# Allegro board board_orcad.brd (continued)
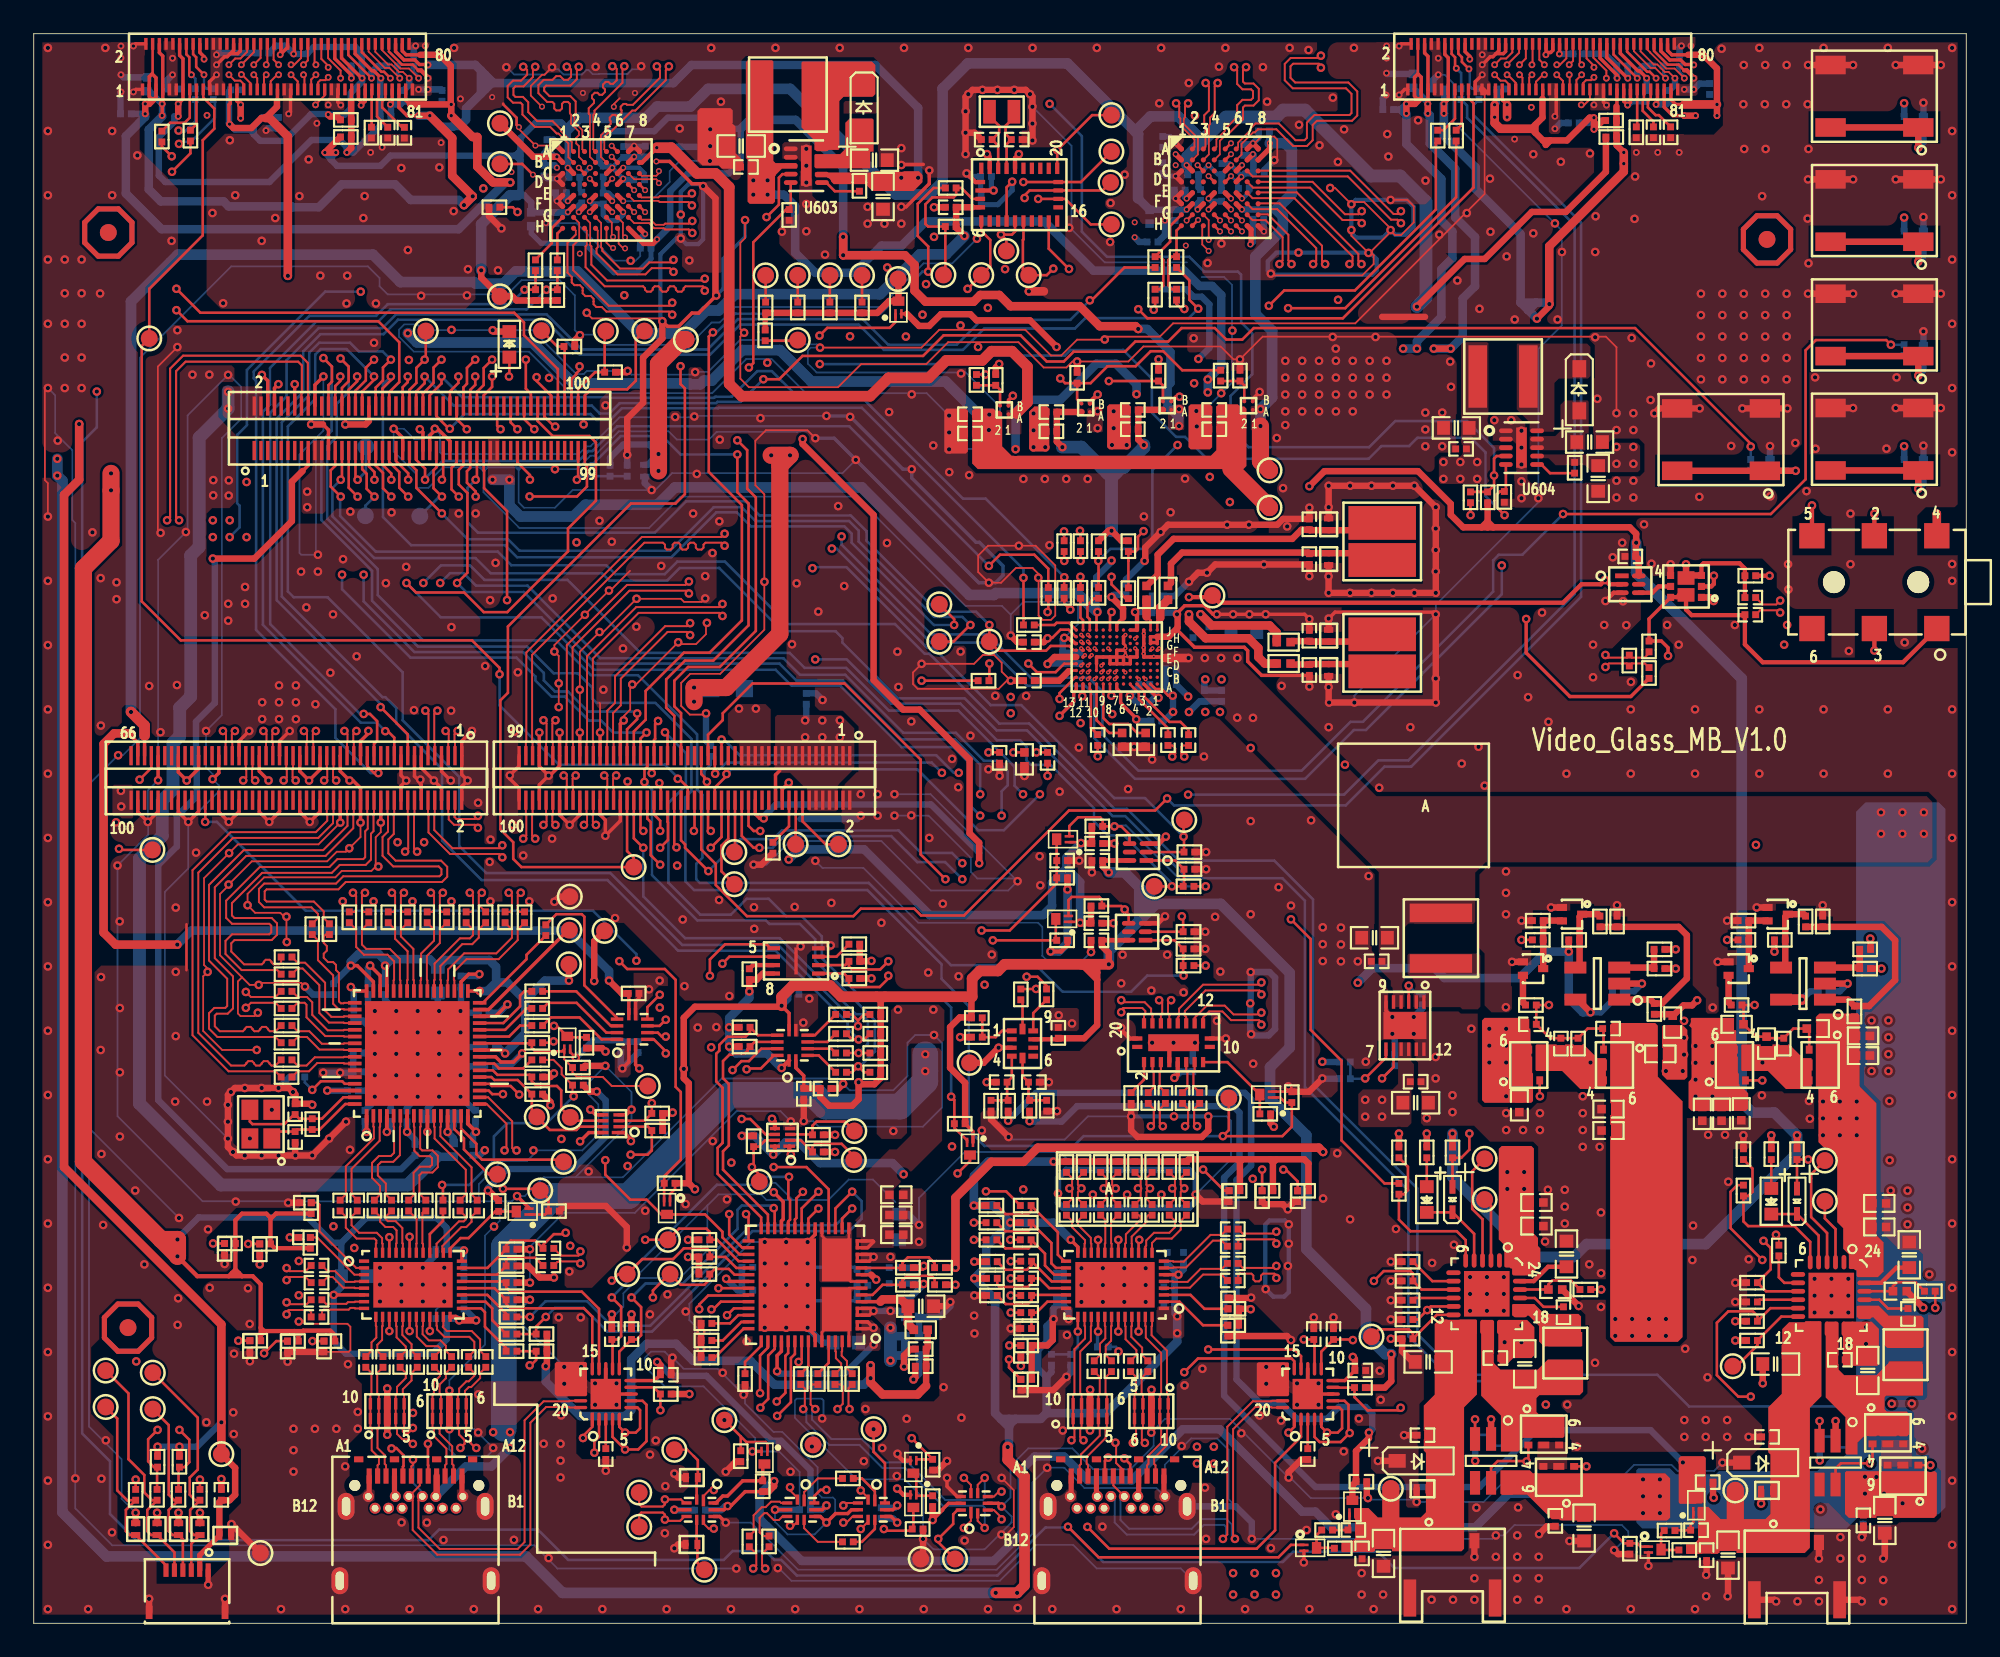
[diagram p0: board, top side]
## Routing (per net, layer and track width the routed paths; a pad name or vN(x,y) marks a point on that pad's centre or on a via; arc(x,y) is an arc through that point) (continued)
PB_L_D-: length 57
  TOP w0.114: U402.20 31.77,12.79 31.74,12.82 30.37,12.82 29.44,11.89 29.44,4.67 28.83,4.06 23.92,4.06 22.46,5.53 22.46,7.29 J401.B7 22.88,8.17 J401.A7 ; v1(47.99,5.97) 48.18,5.97 48.54,6.33 U405.5
  ART03 w0.114: J401.B7 22.46,7.75 22.46,8.72 26.18,12.44 29.35,12.44 30.08,13.17 32.18,13.17 32.91,12.44 35.66,12.44 36.32,11.78 39.56,11.78 41.63,9.71 43.15,9.71 43.37,9.92 45.43,9.92 45.65,9.7 47.28,9.7 48.46,8.51 48.46,6.44 v1(47.99,5.97)
PB_L_HPDIN: length 36.8
  TOP w0.114: v1(32,31.24) 32,31.32 31.94,31.38 R728.1 31.29,32.55 31.29,32.92 30.81,33.4 R729.2
  TOP w0.152: U801.31 41.84,21.87 40.82,22.88 40.82,23.21 39.8,24.24 Q401.3 37.2,24.24 36.33,25.11 35.37,25.11 33.88,26.6 v1(33.88,27.45) ; v1(24.21,25.98) 24.26,25.93 R409.2
  ART03 w0.122: v1(24.21,25.98) 25.11,26.88 31.85,26.88 32.42,27.45 v1(33.88,27.45)
  BOTTOM w0.152: v1(24.21,25.98) 25.81,25.98 27.28,27.46 27.28,28.86 28.06,29.65 30.41,29.65 v1(32,31.24)
PB_POL: length 32.9
  TOP w0.152: U801.18 47.12,25.73 45.8,27.05 v1(43.86,27.05) ; R406.2 R403.2 29.78,15.61 29.46,15.29 v1(29.4,15.29)
  ART03 w0.152: v1(29.4,15.29) 29.44,15.33 29.44,16.42 28.91,16.96 28.91,20.72 30.4,22.22 30.4,22.88 31.74,24.21 35.37,24.21 35.67,23.92 36.95,23.92 38.15,25.12 38.15,25.88 38.85,26.58 40.88,26.58 41.23,26.23 43.05,26.23 v1(43.86,27.05)
PB_PP_EXT_ENABLE: length 82.6
  TOP w0.152: U801.49 45.52,15.68 v1(45.34,15.49) ; R846.2 v1(88.19,40.51)
  ART03 w0.122: v1(88.19,40.51) 88.39,40.72 92.2,40.72 94.21,38.71 94.21,24.46 91.43,21.68 84.35,21.68 81.66,18.99 81.66,12.65 81.2,12.19 79.78,12.19 78.25,13.73 71.78,13.73 71.21,13.16 51.66,13.16 51.03,13.79 47.04,13.79 v1(45.34,15.49)
PB_USB3: length 29.1
  TOP w0.152: U801.17 47.52,24.59 v1(48.51,25.59) ; R407.2 R402.2 29.78,17.59 v1(30.35,18.16)
  BOTTOM w0.152: v1(30.35,18.16) 30.89,18.7 32.6,18.7 34.01,17.29 36.65,17.29 42.61,23.25 48.35,23.25 49.07,23.98 49.07,25.03 v1(48.51,25.59)
PD_I2C1_IRQZ: length 5
  TOP w0.152: TP801.1 48.62,27.7 47.89,28.42 46.31,28.42 46.16,28.27 R828.1 45.47,28.63 U804.2
PD_I2C2_IRQZ: length 4.7
  TOP w0.152: U804.3 46.14,28.98 R827.1 46.16,29.5 46.41,29.74 48.08,29.74 TP802.1
PD_LDO_1V8: length 4
  TOP w0.203: v1(41.05,20.42) 41.2,20.27 U801.35
  BOTTOM w0.381: v1(41.05,20.42) 41.72,19.74 C807.1 C806.1
PD_LDO_3V3: length 237.9
  TOP w0.203: U402.10 36.8,14.39 C404.1 ; U404.9 46.74,6.73 v1(46.99,6.99) ; U504.10 77.72,14.39 C533.1 ; 49.64,20.67 U801.9 ; v1(51.18,6.99) 50.93,6.73 U405.9 ; U502.9 54.23,7.11 53.87,6.76 53.87,6.71 v1(53.28,6.12)
  TOP w0.254: U805.1 44.77,33.36 v1(44.33,32.92) ; v1(67.61,32.33) 67.81,32.53 U503.6 ; Q811.2 51.55,7.61 v1(51.18,7.98) ; U804.8 43.93,27.88 v1(43.84,27.79) ; 43.22,38.52 U802.8
  TOP w0.381: v1(49.94,20.37) 49.64,20.67 ; U808.5 91.53,36.97 v1(92.28,36.22) ; v1(49.66,39.27) 49.63,39.24 R817.1 R815.1 ; R836.2 v1(41.97,28.9) ; v1(38.79,21.72) R837.2 R835.2 ; R838.2 v1(38.79,22.73) ; R542.1 73.32,29.63 v1(73.51,29.44) ; C404.1 37.14,15.31 v1(36.96,15.49) ; v1(78.19,15.79) 78.31,15.67 C533.1 ; v1(42.42,37.45) R814.1 42.86,38.16 43.22,38.52 ; R854.2 v1(103.18,39.82) ; R842.2 v1(90.99,39.82) ; R831.2 v1(41.22,35.33) ; R811.1 v1(54.64,21.08) ; R816.1 v1(49.66,38.23) ; R820.1 v1(53.28,6.12) ; R832.2 v1(41.22,34.19) ; R809.1 v1(54.64,20.07)
  TOP w0.508: v1(54.64,21.08) 54.64,25.23 56.77,27.36 58.68,27.36 59.52,28.19 76.17,28.19 v1(76.43,27.94)
  TOP w0.635: U807.5 v1(104.81,36.97)
  ART03 w0.508: 73.51,31.5 v1(73.51,29.44) 75.01,27.94 75.38,27.94 ; 73.51,31.5 73.51,31.95 ; 73.51,31.5 73.43,31.5 72.49,32.43 ; 75.76,27.27 75.76,22.41 79.3,18.87 79.3,16.3 78.79,15.79 v1(78.19,15.79) ; 75.76,27.27 v1(76.43,27.94) 75.38,27.94 ; 75.76,27.27 75.76,27.56 75.38,27.94 ; v1(49.66,39.27) v1(49.66,38.23) 45.89,38.23 45.45,37.79 42.75,37.79 v1(42.42,37.45) ; 72.92,32.43 73.4,31.95 73.51,31.95 ; 72.92,32.43 72.49,32.43 ; 72.92,32.43 73.51,32.43 ; v1(78.49,37.97) 78.49,37.41 73.51,32.43 ; v1(36.96,15.49) 37.2,15.73 37.2,18.18 38.43,19.42 38.43,21.36 v1(38.79,21.72) v1(38.79,22.73) ; 72.49,32.43 67.71,32.43 v1(67.61,32.33) ; v1(54.64,20.07) v1(54.64,21.08) ; 73.51,32.43 73.51,31.95
  ART05 w0.381: v1(43.84,27.79) 43.84,28.03 44.63,28.82 46.12,28.82 46.6,29.31 46.6,30.65 v1(44.33,32.92)
  ART05 w0.508: v1(90.99,39.82) 92.28,38.53 v1(92.28,36.22) 95.81,36.22 97.31,37.72 100.44,37.72 102.53,39.82 v1(103.18,39.82) 104.81,38.19 v1(104.81,36.97) ; v1(36.96,15.49) 37.18,15.71 37.18,18.15 38.46,19.44 38.46,21.39 v1(38.79,21.72) v1(38.79,22.73) 38.79,24.03 40.52,25.77 40.52,27.45 v1(41.97,28.9)
  ART06 w0.381: 54.05,22.07 53.87,21.89 53.82,21.89 ; 53.82,21.89 52.25,21.89 50.72,20.37 v1(49.94,20.37) ; 53.82,21.89 54.05,21.66 ; v1(54.64,21.08) v1(54.64,20.07)
  ART06 w0.508: v1(46.99,6.99) 46.18,6.18 46.18,5.46 47.04,4.6 51.47,4.6 52.05,5.18 52.05,6.11 ; v1(51.56,26.62) 54.05,24.13 54.05,21.66 v1(54.64,21.08) ; 52.05,6.11 v1(51.18,6.99) v1(51.18,7.98) ; 52.05,6.11 53.27,6.11 v1(53.28,6.12)
  BOTTOM w0.381: C529.1 67.98,32.7 v1(67.61,32.33) ; v1(36.96,15.49) 37.79,14.67 39.88,14.67 43.72,10.82 44.3,10.82 46.04,9.08 C436.1 46.74,6.73 v1(46.99,6.99) ; v1(51.18,6.99) 51.04,6.85 C438.1 ; C830.1 105.3,37.47 v1(104.81,36.97) ; v1(92.28,36.22) 92.89,36.22 93.58,36.92 C821.1
  BOTTOM w0.508: v1(51.56,26.62) 50.9,27.28 46.61,27.28 45.36,28.52 44.58,28.52 v1(43.84,27.79) 42.73,28.9 v1(41.97,28.9) ; v1(78.49,37.97) 79.35,38.84 83.03,38.84 83.62,38.25 88.06,38.25 89.63,39.82 v1(90.99,39.82) 90.99,37.05 91.82,36.22 v1(92.28,36.22) ; v1(44.33,32.92) 43.47,33.78 41.63,33.78 v1(41.22,34.19) v1(41.22,35.33) 41.22,35.88 42.42,37.07 v1(42.42,37.45)
PD_RESET: length 136.7
  TOP w0.152: v1(29.17,74.91) 29.17,73.19 29.47,72.89 J302.84 ; Q808.1 52.39,9.72 R822.1 53.28,9.73 v1(52.04,10.97)
  ART03 w0.122: v1(12.62,64.39) 13.22,63.79 15.99,63.79 16.39,64.19 26.7,64.19 27.47,64.96 28.27,64.96 31.44,68.13 31.44,73.75 30.78,74.4 29.69,74.4 v1(29.17,74.91)
  ART06 w0.122: v1(12.62,64.39) 12.62,63.03 3.5,53.91 3.5,21.94 10.62,14.81 16.27,14.81 17.81,16.35 25.86,16.35 27.16,17.65 38.8,17.65 39.03,17.88 40.07,17.88 41.71,16.24 46.78,16.24 v1(52.04,10.97)
PD_SPI_CLK: length 29.2
  TOP w0.152: v1(40.17,18.61) 40.27,18.61 40.73,19.07 U801.38 ; v1(40.82,39.1) 41.24,39.52 U802.6
  ART06 w0.122: v1(40.17,18.61) 39.83,18.95 39.83,24.62 42.1,26.9 42.1,27.28 43.04,28.22 43.04,31.6 43.29,31.84 43.29,34.76 41.6,36.45 41.08,36.45 40.62,36.91 40.62,38.9 v1(40.82,39.1)
PD_SPI_MISO: length 33.7
  TOP w0.152: v1(40.59,19.86) 40.59,19.87 U801.36 ; U802.2 48.1,39.02 R817.2 48.32,38.95 48.51,38.76 50.17,38.76 v1(50.66,39.24)
  ART06 w0.122: v1(50.66,39.24) 50.14,38.73 50.14,38.08 50.37,37.86 50.37,30.07 49.36,29.07 49.36,24.55 48.22,23.41 43,23.41 41.68,22.09 41.68,20.35 41.25,19.91 40.64,19.91 v1(40.59,19.86)
PD_SPI_MOSI: length 31.4
  TOP w0.152: v1(39.45,18.62) 39.45,18.9 39.98,19.43 42.33,19.43 U801.37 ; v1(40.08,38.38) 40.08,39.35 40.98,40.25 43.44,40.25 43.67,40.02 U802.5
  ART06 w0.122: v1(39.45,18.62) 39.55,18.72 39.55,24.82 41.83,27.1 41.83,27.55 42.72,28.44 42.72,31.82 43.01,32.12 43.01,34.58 41.48,36.11 40.99,36.11 40.08,37.02 v1(40.08,38.38)
PD_SPI_SS: length 33.6
  TOP w0.152: U801.39 41.5,18.67 v1(41.1,18.26) ; v1(50.66,38.39) 50.66,38.23 50.15,37.72 48.47,37.72 48.32,37.87 R816.2 48.03,38.52 U802.1
  ART06 w0.122: v1(50.66,38.39) 50.66,29.89 49.66,28.89 49.66,24.42 48.33,23.09 43.13,23.09 41.99,21.96 41.99,19.16 v1(41.1,18.26)
R_775_EN: length 52.4
  TOP w0.152: J301.58 37.17,49.72 v1(37.08,49.81) ; U709.B2 61.85,72.57 R721.2 ; R721.2 61.13,73.52 v1(60.85,73.8) ; R721.2 62.65,73.52 63.65,74.52 65.32,74.52 66.21,75.41 66.95,75.41 68.08,74.28 R724.2
  ART03 w0.122: v1(37.08,49.81) 37.08,50.25 40.49,53.66 40.49,54.47 42.89,56.88 44.55,56.88 53.79,66.12 53.79,72.19 56.8,75.19 59.46,75.19 v1(60.85,73.8)
R_AUXN: length 49.9
  TOP w0.114: v1(67.49,51.38) 67.67,51.57 67.67,51.86 67.49,52.04 C1008.2
  TOP w0.152: C513.1 v1(57.91,20.45)
  ART06 w0.114: v1(67.49,51.38) 67.6,51.5 67.6,52.17 67.99,52.55 70.45,52.55 71.19,51.81 71.19,38.14 69.64,36.59 69.64,34.22 71.78,32.08 71.78,26.19 67.14,21.55 60.72,21.55 59.82,20.65 58.12,20.65 v1(57.91,20.45)
R_AUXP: length 49.3
  TOP w0.114: v1(68.2,51.38) 68.01,51.57 68.01,51.92 68.13,52.04 C1009.2
  TOP w0.152: C514.1 v1(57.91,21.46)
  ART06 w0.114: v1(68.2,51.38) 68.06,51.38 67.94,51.5 67.94,52.03 68.13,52.21 68.44,52.21 68.55,52.1 68.55,52.06 68.67,51.94 68.89,51.94 69.01,52.06 69.01,52.1 69.12,52.21 69.35,52.21 69.47,52.1 69.47,52.06 69.58,51.94 69.81,51.94 69.92,52.06 69.92,52.1 70.04,52.21 70.31,52.21 70.85,51.67 70.85,38.29 69.3,36.74 69.3,34.08 71.44,31.94 71.44,26.33 67,21.89 60.58,21.89 59.67,20.99 58.03,20.99 57.91,21.11 v1(57.91,21.46)
R_BAT_CTL: length 112.1
  TOP w0.152: J302.27 18.27,67.87 v1(18.2,67.79)
  BOTTOM w0.152: R920.1 87.18,10.53 87.55,10.9 87.55,14.19 87.38,14.36 84.14,14.36 81.48,17.01 81.48,25.65 75.35,31.79 75.35,42.84 74.02,44.17 68.38,44.17 64.69,47.85 63.96,47.85 58.88,52.93 57.08,52.93 55.18,54.83 51.24,54.83 47.94,58.13 47.94,58.4 47.53,58.81 44.38,58.81 40.63,62.56 38.29,62.56 37.55,61.81 34.12,61.81 33.69,62.25 27.09,62.25 26.19,63.15 20.18,63.15 17.7,65.63 17.7,67.3 v1(18.2,67.79)
R_C_CC1: length 24.7
  TOP w0.152: U504.7 77.7,13.19 77.93,12.95 77.93,11.35 v1(78,11.28) 77.47,10.74 76.22,10.74 75.92,11.05 U504.4 ; J502.A5 63.5,9.62 v1(63.69,9.82)
  ART03 w0.152: v1(63.69,9.82) 63.37,10.13 63.37,11 64.72,12.34 71.48,12.34 72,12.86 73.99,12.86 74.63,12.22 77.06,12.22 v1(78,11.28)
R_C_CC2: length 18
  TOP w0.152: U504.6 77.4,12.79 77.55,12.64 77.55,11.56 77.3,11.3 v1(76.66,11.3) 76.32,11.65 U504.5
  ART03 w0.122: v1(76.66,11.3) 76.19,10.83 73.99,10.83 68.88,5.71 66.15,5.71 J502.B5
R_C_SBU1: length 13.8
  TOP w0.152: J502.A8 65,9.43 v1(64.64,9.78) ; U504.1 74.72,11.65 v1(74.38,11.3)
  ART03 w0.152: v1(64.64,9.78) 64.64,11.13 65.48,11.96 71.83,11.96 72.49,11.3 v1(74.38,11.3)
R_C_SBU2: length 20.8
  TOP w0.152: v1(62.46,5.71) 63.75,4.42 72.49,4.42 73.58,5.51 73.58,9.51 75.12,11.05 U504.2
  ART06 w0.122: J502.B8 63.45,6.7 v1(62.46,5.71)
R_CC1: length 48.9
  TOP w0.152: U504.12 75.92,16.78 C531.1 v1(75.29,16.82) ; U801.45 43.92,16.26 43.54,15.88 43.54,13.3 43.07,12.84 v1(43.07,12.78)
  ART03 w0.122: v1(43.07,12.78) 42.58,13.27 42.58,16.29 43.06,16.77 48.37,16.77 48.69,17.09 48.69,19.13 49.14,19.59 52.09,19.59 56.92,14.76 59.91,14.76 60.54,15.39 67.07,15.39 68.96,17.27 74.84,17.27 v1(75.29,16.82)
R_CC2: length 49.7
  TOP w0.152: U801.47 44.72,16.02 44.56,15.85 44.56,13.66 v1(44.04,13.15) ; v1(78.19,16.79) 78.16,16.82 C530.1 76.32,16.1 U504.11
  ART03 w0.122: v1(44.04,13.15) 44.83,13.93 44.83,15.71 45.14,16.03 48.3,16.03 49.02,16.74 49.02,18.91 49.41,19.31 51.78,19.31 56.76,14.33 59.97,14.33 60.74,15.1 67.22,15.1 69.08,16.96 73.57,16.96 74.3,16.23 76.25,16.23 76.81,16.79 v1(78.19,16.79)
R_CHG_CE: length 70.6
  TOP w0.152: v1(43.01,45.97) 42.67,45.97 41.97,46.68 J301.34 ; v1(79.44,20.29) 80.03,20.88 81.61,20.88 81.75,20.74 R916.2 82.26,19.78 U901.9
  ART03 w0.122: v1(79.44,20.29) 79.44,23.31 81.46,25.32 81.46,32.89 79.96,34.39 79.96,39.73 76.65,43.04 65.77,43.04 65.42,43.4 62.88,43.4 62.32,42.83 59.24,42.83 58.57,43.51 55.64,43.51 v1(55.04,44.11)
  BOTTOM w0.152: v1(43.01,45.97) 43.8,45.97 44.49,46.66 50.84,46.66 52.37,45.13 54.03,45.13 v1(55.04,44.11)
R_CHG_STAT: length 99.3
  TOP w0.152: v1(25.1,61.67) 25.7,62.28 25.7,67.01 25.2,67.51 25.2,68.38 25.47,68.65 J302.63 ; v1(85.1,29.03) 85.1,28.08 84.62,27.59 R913.2 D603.1
  ART03 w0.122: v1(85.1,29.03) 84.66,29.47 84.66,36.12 86.69,38.15 86.69,44.64 85.14,46.19 69.2,46.19 68.87,45.86 65.66,45.86 64.81,46.72 63.48,46.72 62.82,47.39 57.2,47.39 56.72,47.86 56.72,48.53 v1(56.1,49.15)
  BOTTOM w0.152: v1(56.1,49.15) 56.1,50.9 54.6,52.4 51.45,52.4 47.96,55.89 45.21,55.89 44.21,56.89 33.3,56.89 29.06,61.14 25.63,61.14 v1(25.1,61.67)
R_D+: length 20.9
  TOP w0.114: v1(55.14,8.62) 55.55,8.2 U502.7 ; v1(44.83,8.07) 44.83,7.87 45.27,7.44 U404.2
  ART03 w0.114: v1(55.14,8.62) 55.14,7.42 55.02,7.31 54.72,7.31 54.35,6.94 54.35,4.21 53.64,3.5 46.05,3.5 45.94,3.62 45.94,6.52 45.55,6.9 44.95,6.9 44.83,7.02 v1(44.83,8.07)
R_D-: length 20.9
  TOP w0.114: U502.1 55.55,6.07 v1(55.14,5.65) ; U404.6 45.27,6.02 45.02,5.78 v1(44.83,5.78)
  ART03 w0.114: v1(55.14,5.65) 55.14,6.85 55.02,6.97 54.86,6.97 54.69,6.8 54.69,4.07 53.78,3.16 45.91,3.16 45.59,3.47 45.59,3.76 45.48,3.87 45.42,3.87 45.3,3.98 45.3,4.21 45.42,4.33 45.48,4.33 45.59,4.44 45.59,4.67 45.48,4.78 45.42,4.78 45.3,4.9 45.3,5.13 45.42,5.24 45.48,5.24 45.59,5.36 45.59,6.37 45.41,6.56 44.95,6.56 44.83,6.45 v1(44.83,5.78)
R_EN: length 73.2
  TOP w0.152: v1(87.19,65.69) 86.72,66.17 86.72,66.9 86.91,67.1 R607.2 87.26,67.19 U604.5 ; v1(29.67,70.79) 29.07,71.39 J302.82
  ART06 w0.122: v1(46.59,74.65) 45.92,74.65 44.55,73.28 30.94,73.28 29.67,72.01 v1(29.67,70.79)
  BOTTOM w0.152: v1(46.59,74.65) 55.79,74.65 56.29,75.16 61.13,75.16 61.45,75.48 64.58,75.48 66.28,73.78 66.28,71.77 67.72,70.33 68.24,70.33 69.54,69.04 79.13,69.04 79.88,69.79 81.53,69.79 82.02,70.28 85.19,70.28 86.06,69.42 86.06,66.83 v1(87.19,65.69)
R_FAULT: length 136.2
  TOP w0.152: v1(22.1,61.67) 22.66,61.11 25.51,61.11 26.68,59.94 28.07,59.94 31.67,63.55 31.67,64.9 33.32,66.55 33.32,70 32.94,70.38 30.76,70.38 29.87,71.27 J302.86 ; U504.9 77.04,13.97 R526.2 78.29,13.4 79.07,12.62 80.87,12.62 v1(81.03,12.78)
  ART03 w0.122: v1(81.03,12.78) 81.29,13.04 81.29,24.61 81.75,25.07 81.75,33.72 86.39,38.36 86.39,44.55 85.03,45.91 70.39,45.91 69.69,45.21 64.37,45.21 62.56,47.03 56.96,47.03 v1(56.1,47.88)
  BOTTOM w0.152: v1(22.1,61.67) 24.13,59.63 30.09,59.63 33.2,56.53 43.98,56.53 44.92,55.59 47.8,55.59 51.44,51.94 54.5,51.94 55.45,50.99 55.45,48.53 v1(56.1,47.88)
R_I2C_SCL: length 5.8
  TOP w0.152: R629.1 66.74,79.09 66.95,79.3 66.95,80.82 66.76,81.02 R633.1 67.36,81.9 67.36,82.83 U601.G1
R_I2C_SDA: length 4.6
  TOP w0.152: U601.H1 67.74,82.56 R634.1 67.45,81.02 67.26,80.82 67.26,79.31 67.49,79.09 R630.1
R_L_D+: length 11.3
  TOP w0.114: U403.1 39.7,7.54 40.06,7.9 v1(40.31,7.9) ; R430.2 42.83,4.12 42.83,3.43 v1(42.65,3.24)
  ART03 w0.114: v1(42.65,3.24) 42.75,3.35 42.75,4.06 42.55,4.25 39.58,4.25 39.15,4.68 39.15,6.52 39.56,6.93 40.2,6.93 40.31,7.04 v1(40.31,7.9)
R_L_D-: length 11.2
  TOP w0.114: U403.7 39.7,5.92 40.01,5.61 v1(40.31,5.61) ; R431.2 43.17,4.12 43.17,3.43 v1(43.36,3.24)
  ART03 w0.114: v1(43.36,3.24) 43.24,3.24 43.09,3.39 43.09,4.2 42.69,4.6 39.73,4.6 39.5,4.83 39.5,6.38 39.71,6.58 40.37,6.58 40.55,6.4 40.55,5.73 40.44,5.61 v1(40.31,5.61)
R_LCD_RST: length 90.2
  TOP w0.152: v1(65.47,77.9) 66.01,77.36 77.6,77.36 85.34,85.11 85.34,90.12 85.05,90.42 J602.19 ; v1(19.2,67.79) 19.07,67.92 J302.31
  ART06 w0.122: v1(19.2,67.79) 19.68,67.3 19.68,65.97 21.54,64.11 31.36,64.11 33.86,66.6 33.86,68.88 36.99,72.02 45.26,72.02 45.51,72.27 50.22,72.27 53.11,75.16 57.84,75.16 58.67,74.32 61.52,74.32 61.7,74.14 62.56,74.14 64.26,75.84 64.26,76.69 v1(65.47,77.9)
  BOTTOM w0.152: TP606.1 19.68,68.28 v1(19.2,67.79)
R_LCD_VCCP: length 63.3
  TOP w0.152: 82.05,91.85 J602.4
  TOP w0.203: 97.84,90.04 97.33,90.04 97.05,90.33 J602.79 ; J602.78 96.85,93.24 97.1,92.98 98.07,92.98 ; 81.85,90.54 J602.3 81.85,91.65 82.05,91.85 82.25,91.65 J602.5 82.25,90.45 82.09,90.3 81.85,90.54
  TOP w0.381: v5(81.37,89.51) v5(81.37,90.07) 81.87,90.07 82.09,90.3 ; v5(99.78,89.38) v5(99.78,90.04) 99.78,92.17 98.96,92.98 98.07,92.98
  TOP w0.508: v5(99.78,90.04) 97.84,90.04
  ART03 w0.508: v5(99.78,90.04) v5(99.78,89.38) 99.78,85.52 88.28,74.02 83.54,74.02 v1(81.99,75.56) v1(81.17,75.56)
  BOTTOM w0.381: v5(81.37,90.07) 81.03,89.74 80.97,89.74 ; 80.97,89.74 C662.2 ; 80.97,89.74 81.19,89.51 v5(81.37,89.51)
  BOTTOM w0.508: v5(81.37,89.51) 81.37,87.7 83.44,85.62 83.44,83.16 84.09,82.5 84.09,80.92 83.44,80.27 83.44,77.44 81.99,76 v1(81.99,75.56) v1(81.17,75.56)
R_OTG: length 64.4
  TOP w0.152: R918.1 80.07,26.08 77.52,28.63 77.52,33.35 75.69,35.18 75.69,40.56 v1(74.52,41.73) ; J301.41 40.37,50.46 40.39,50.44 v1(40.39,50.36)
  ART03 w0.122: v1(74.52,41.73) 73.71,42.55 69.67,42.55 68.5,41.38 66.34,41.38 64.92,42.8 63.35,42.8 62.8,42.26 58.92,42.26 58.37,42.81 54.45,42.81 53.2,44.06 53.2,44.87 54.03,45.7 54.03,50.22 v1(53.83,50.42)
  BOTTOM w0.152: v1(40.39,50.36) 41.06,51.03 53.22,51.03 v1(53.83,50.42)
R_RESET: length 68.3
  TOP w0.152: J302.55 23.87,68.52 23.7,68.35 23.7,67.29 v1(24.2,66.79) ; U601.D4 v2(69.64,85.79)
  ART06 w0.122: v1(24.2,66.79) 24.62,66.37 24.62,65.38 25.17,64.84 30.95,64.84 33.17,67.06 33.17,69.38 36.44,72.64 44.81,72.64 45.47,73.3 49.96,73.3 52.65,76 55.11,76 56.01,76.9 58.71,76.9 62.78,80.97 62.78,85.32 65.94,88.48 68.71,88.48 70.07,87.12 70.07,86.23 v2(69.64,85.79)
  BOTTOM w0.152: TP602.1 24.04,66.79 v1(24.2,66.79)
R_RX1+: length 12.1
  TOP w0.114: v1(61.51,10.85) 61.69,11.03 61.69,11.53 61.61,11.61 U505.1 U505.10 61.61,13.53 61.69,13.61 61.69,16.25 62.32,16.88 62.32,17.6 62.29,17.63 U501.30
  ART03 w0.114: J502.B11 62.07,7.05 62.07,8.36 61.71,8.72 61.71,10.66 v1(61.51,10.85)
R_RX1-: length 12.1
  TOP w0.114: U501.31 62.69,17.63 62.66,17.6 62.66,16.74 62.03,16.11 62.03,13.61 62.11,13.53 U505.9 U505.2 62.11,11.61 62.03,11.53 62.03,11.04 v1(62.22,10.85)
  ART03 w0.114: J502.B10 62.42,7.05 62.42,8.5 62.05,8.86 62.05,10.68 v1(62.22,10.85)
R_RX2+: length 10.2
  TOP w0.114: J502.A11 66.5,9.37 66.42,9.44 66.42,9.8 67.17,10.55 67.17,11.53 67.25,11.61 U506.10 U506.1 67.25,13.53 67.17,13.61 67.17,16.17 66.26,17.07 66.26,17.6 66.29,17.63 U501.40
R_RX2-: length 10.2
  TOP w0.114: U501.39 65.89,17.63 65.92,17.6 65.92,16.93 66.83,16.02 66.83,13.61 66.75,13.53 U506.2 U506.9 66.75,11.61 66.83,11.53 66.83,10.7 66.07,9.94 66.07,9.44 66,9.37 J502.A10
R_RX2N: length 34.1
  TOP w0.114: v1(73.66,20.47) 73.66,20.61 73.54,20.73 72.87,20.73 72.75,20.61 72.75,20.38 72.64,20.27 72.41,20.27 72.29,20.38 72.29,20.61 72.18,20.73 71.51,20.73 71.4,20.61 C502.1 ; U503.14 68.31,35.94 68.24,36.02 68.24,36.29 69.46,37.52 72.66,37.52 72.77,37.4 v1(72.77,37.28)
  ART06 w0.114: v1(73.66,20.47) 73.47,20.66 72.69,20.66 72.38,20.97 72.38,21.72 72.69,22.03 74.66,22.03 77.74,25.11 77.74,34.43 74.69,37.48 72.89,37.48 72.77,37.36 v1(72.77,37.28)
R_RX2P: length 34.2
  TOP w0.114: C501.1 71.66,21.07 73.54,21.07 v1(73.66,21.18) ; v1(72.77,37.99) 72.64,37.86 69.31,37.86 67.89,36.44 67.89,35.99 67.81,35.91 U503.15
  ART06 w0.114: v1(72.77,37.99) 72.94,37.82 73.4,37.82 73.61,38.03 73.86,38.03 74.07,37.82 74.83,37.82 75,37.65 75.31,37.65 75.48,37.48 75.48,37.17 75.65,37.01 75.95,37.01 76.12,36.84 76.12,36.53 76.29,36.36 76.6,36.36 76.77,36.19 76.77,35.88 78.08,34.57 78.08,24.97 74.81,21.69 72.83,21.69 72.72,21.58 72.72,21.11 72.83,21 73.47,21 v1(73.66,21.18)
R_SBU1: length 19.8
  TOP w0.152: U504.15 74.72,15.53 74.56,15.7 69.01,15.7 v1(68.2,14.88) ; R517.2 v1(57.91,18.41)
  ART06 w0.152: v1(68.2,14.88) 66.44,16.65 63.75,16.65 63.6,16.49 60.36,16.49 58.44,18.41 v1(57.91,18.41)
R_SBU2: length 20
  TOP w0.152: R518.2 v1(57.91,19.43) ; U504.14 75.12,15.84 74.73,16.23 v1(69.62,16.23)
  ART06 w0.152: v1(69.62,16.23) 67.58,16.23 65.43,18.38 62.08,18.38 61.04,19.43 v1(57.91,19.43)
R_SPI_CLK: length 70.8
  TOP w0.152: v1(73.21,78.11) 74.12,79.01 78.31,79.01 83.11,83.81 83.11,87.76 R619.2 ; J301.44 39.97,47.14 v1(40.13,46.97)
  ART03 w0.122: v1(73.21,78.11) 73.06,77.95 73.06,74.3 70.89,72.13 70.89,71.28 65.7,66.1 56.79,66.1 49.33,58.63 49.33,51.89 46.41,48.97 42.57,48.97 40.57,46.97 v1(40.13,46.97)
R_SPI_CS: length 92.5
  TOP w0.152: J301.42 40.37,49.54 41.07,50.24 v1(41.07,50.35)
  ART03 w0.122: v1(68.43,49.12) 67.39,48.08 65.54,48.08 64.89,48.73 60.06,48.73 v1(59.64,49.15)
  BOTTOM w0.152: v1(59.64,49.15) 57.51,47.02 55.99,47.02 52.38,50.62 41.34,50.62 v1(41.07,50.35) ; R618.2 84.96,89.98 84.96,89.26 91.34,82.88 91.34,61.01 81.48,51.16 79.71,51.16 77.67,49.12 v1(68.43,49.12)
R_SPI_MISO: length 73.1
  TOP w0.152: v1(74.36,77.96) 77.74,77.96 84.32,84.54 R621.2 ; v1(39.13,46.97) 39.17,47.01 J301.48
  ART03 w0.122: v1(74.36,77.96) 73.69,78.63 72.98,78.63 72.72,78.37 72.72,74.44 70.6,72.33 70.6,71.45 65.54,66.39 56.54,66.39 48.79,58.64 48.79,52.15 46,49.35 42.29,49.35 40.74,47.8 39.96,47.8 v1(39.13,46.97)
R_SPI_MOSI: length 98.2
  TOP w0.152: J301.46 39.57,45.87 40.43,45.01 40.43,43.77 42.28,41.92 48.59,41.92 49.03,42.36 52.2,42.36 52.6,41.96 55.14,41.96 61.37,48.18 66.47,48.18 v1(67.18,48.9)
  BOTTOM w0.152: v1(67.18,48.9) 67.59,48.49 77.77,48.49 80.07,50.78 81.65,50.78 91.72,60.85 91.72,83.04 85.34,89.41 85.34,90 R620.2
R_STAT: length 4.9
  TOP w0.152: LED301.2 84.09,24.36 D603.2 85.38,23.09 U901.5
R_STBY: length 70.2
  TOP w0.152: v1(20.2,66.79) 19.74,67.25 19.74,68.15 19.47,68.41 J302.33 ; U601.C3 v2(68.99,86.44)
  ART06 w0.122: v1(20.2,66.79) 20.2,65.91 21.65,64.46 31.14,64.46 33.58,66.91 33.58,69.19 36.72,72.32 44.97,72.32 45.44,72.79 50.13,72.79 53.03,75.68 55.27,75.68 56.15,76.56 58.8,76.56 63.09,80.85 63.09,85.18 66.06,88.14 68.53,88.14 68.99,87.68 v2(68.99,86.44)
  BOTTOM w0.152: TP601.1 19.66,66.26 v1(20.2,66.79)
R_TX1+: length 6.9
  TOP w0.114: C518.2 63.19,14.6 63.19,13.61 63.11,13.53 U505.7 U505.4 63.11,11.61 63.19,11.53 63.19,11.12 62.07,10.01 62.07,9.44 62,9.37 J502.A2
R_TX1-: length 6.9
  TOP w0.114: J502.A3 62.5,9.37 62.42,9.44 62.42,9.86 63.53,10.98 63.53,11.53 63.61,11.61 U505.5 U505.6 63.61,13.53 63.53,13.61 63.53,14.57 C517.2
R_TX2+: length 8.9
  TOP w0.114: v1(65.86,10.69) 65.68,10.87 65.68,11.55 65.75,11.61 U506.7 U506.4 65.75,13.53 65.67,13.61 65.67,14.55 C515.2
  ART03 w0.114: v1(65.86,10.69) 65.68,10.51 65.68,9.23 66.42,8.49 66.42,7.05 J502.B2
R_TX2-: length 8.9
  TOP w0.114: C516.2 65.33,14.62 65.33,13.61 65.25,13.53 U506.5 U506.6 65.25,11.61 65.34,11.52 65.34,10.88 v1(65.15,10.69)
  ART03 w0.114: J502.B3 66.07,7.05 66.07,8.35 65.34,9.08 65.34,10.51 v1(65.15,10.69)
R_TX2N: length 24.1
  TOP w0.114: v1(72.77,35.49) 72.77,35.62 72.63,35.75 70.98,35.75 70.46,36.27 69.67,36.27 69.31,35.91 U503.12 ; v1(73.66,22.5) 73.66,22.64 73.54,22.76 71.51,22.76 71.4,22.64 C504.1
  ART06 w0.114: v1(73.66,22.5) 73.47,22.69 72.83,22.69 72.52,23 72.52,23.91 75.13,26.53 75.13,34.7 74.16,35.67 72.95,35.67 v1(72.77,35.49)
R_TX2P: length 24.2
  TOP w0.114: v1(72.77,36.2) 72.66,36.1 71.12,36.1 70.6,36.61 69.53,36.61 68.81,35.9 U503.13 ; C503.1 71.66,23.1 73.54,23.1 v1(73.66,23.22)
  ART06 w0.114: v1(73.66,23.22) 73.47,23.03 72.97,23.03 72.86,23.15 72.86,23.77 75.47,26.38 75.47,34.84 74.3,36.02 72.95,36.02 v1(72.77,36.2)
R_VBAT: length 1.9
  TOP w1.016: TP912.1 80.44,6.12
R_VBUS: length 42.1
  TOP w0.203: U801.3 49.53,18.27 v1(49.78,18.52) 49.63,18.67 U801.4
  TOP w0.305: J502.A9 65.5,7.57 J502.B4 ; J502.A4 63,7.57 J502.B9
  ART05 w0.762: 59.18,9.47 57.18,9.47 56.36,10.29 54.86,10.29 50.78,14.37 v1(50.78,15.57)
  ART06 w0.762: 62.41,8.92 61.75,8.92 60.66,10.01 59.56,10.01 59.03,9.47 57.15,9.47 56.36,10.26 54.89,10.26 50.78,14.37 v1(50.78,15.57) v1(50.78,17.52) v1(50.78,18.52) v1(49.78,18.52)
  BOTTOM w0.381: v1(49.78,18.52) v1(50.78,18.52) 51.3,18.52 C815.1
  BOTTOM w0.508: v1(50.78,15.57) 51.09,15.88 C535.1 C536.1 50.78,17.02
  BOTTOM w0.762: v1(50.78,17.52) v1(50.78,15.57)
  vias: v1(68.95,10.46) v1(68.95,9.46) v1(69.95,10.46) v1(69.95,9.46) v1(93.75,18.04) v1(93.75,17.04) v1(94.75,18.04) v1(94.75,17.04) v1(95.75,18.04) v1(95.75,17.04) v1(96.75,18.04) v1(96.75,17.04)
R_VDD1_1V8: length 47.6
  TOP w0.203: v5(95.61,91.6) 95.61,91.61 95.18,92.04 95.08,92.04 94.05,93.07 J602.64 ; J602.12 83.65,93.01 83.85,92.81 J602.13 83.85,90.33 v5(83.59,90.07) ; J602.63 93.85,89.95 93.82,89.92
  TOP w0.381: v1(89.84,78.21) 89.84,78.08 v1(89.1,77.34) ; v5(83.59,89.51) v5(83.59,90.07) ; 93.82,89.92 R617.1 93.82,88.12 R616.1 93.83,87.62 v5(94.25,87.2)
  TOP w0.508: v5(94.25,87.2) v5(94.25,86.53) 94.25,86.06 89.84,81.64 89.84,78.21 v1(89.84,78.21)
  ART03 w0.381: v5(95.61,91.6) 95.61,89.41 94.25,88.06 v5(94.25,87.2) v5(94.25,86.53)
  BOTTOM w0.381: v5(95.61,91.6) 95.61,90.9 C651.2 ; C656.2 83.61,90.09 v5(83.59,90.07)
  BOTTOM w0.508: 88.14,78.29 88.13,78.3 88.13,82.36 85.48,85.02 85.48,86.3 83.59,88.19 v5(83.59,89.51) v5(83.59,90.07) ; 88.14,78.29 89.04,78.29 ; 88.14,78.29 88.59,77.84 ; v1(89.84,78.21) 89.75,78.29 89.04,78.29 ; v1(89.1,77.34) 88.6,77.84 88.59,77.84 ; 88.59,77.84 89.04,78.29
R_VDD_10V: length 72
  TOP w0.203: 96.65,90.93 96.65,89.89 97.16,89.38 v5(97.84,89.38) ; J602.76 96.45,93.21 96.98,92.68 97.62,92.68 97.89,92.41 98.38,92.41 v5(98.4,92.39) ; J602.6 82.45,93.09 82.65,92.89 J602.7 82.65,90.08
  TOP w0.381: v5(82.64,89.51) v5(82.64,90.07) 82.65,90.08 ; v5(97.84,89.38) v5(98.51,89.38) ; v1(82.99,75.56) v1(83.99,75.56)
  ART06 w0.381: v1(82.99,75.56) v1(83.99,75.56) 87.52,75.56 93.35,69.74 v1(93.82,69.74) ; v1(93.82,69.74) v1(93.82,68.74) ; v1(93.82,69.74) v1(94.82,69.74) ; v5(98.4,92.39) 99.14,91.65 99.14,89.74 98.77,89.38 v5(98.51,89.38) v5(97.84,89.38) 96.98,88.51 96.98,70.41 96.31,69.74 v1(94.82,69.74) ; v1(94.82,69.74) v1(94.82,68.74)
  BOTTOM w0.381: v5(82.64,89.51) v5(82.64,90.07) 82.64,90.16 C650.2
  BOTTOM w0.508: v1(82.99,75.56) v1(83.99,75.56) 84.7,76.28 84.7,78.53 85.44,79.26 85.44,82.18 84.26,83.35 84.26,86.22 82.75,87.73 82.75,89.39 v5(82.64,89.51)
REXT: length 3.7
  TOP w0.152: v1(16.51,31.62) 17.02,32.13 18.29,32.13 18.44,31.98 U705.61